# Altium PCB carrier.PcbDoc (part 3 of 5)
Units mm, origin at the board's own origin, x right, y up, seen from the top; angles counter-clockwise.
Board outline 140 x 87 mm, 4 copper layers (Component Side, Power_layer1, Power_layer2, Solder Side), stack 1.674 mm thick; 384 components, 416 nets, 1916 pads, 853 vias.
Unrouted connection lines stored in the file: 26.
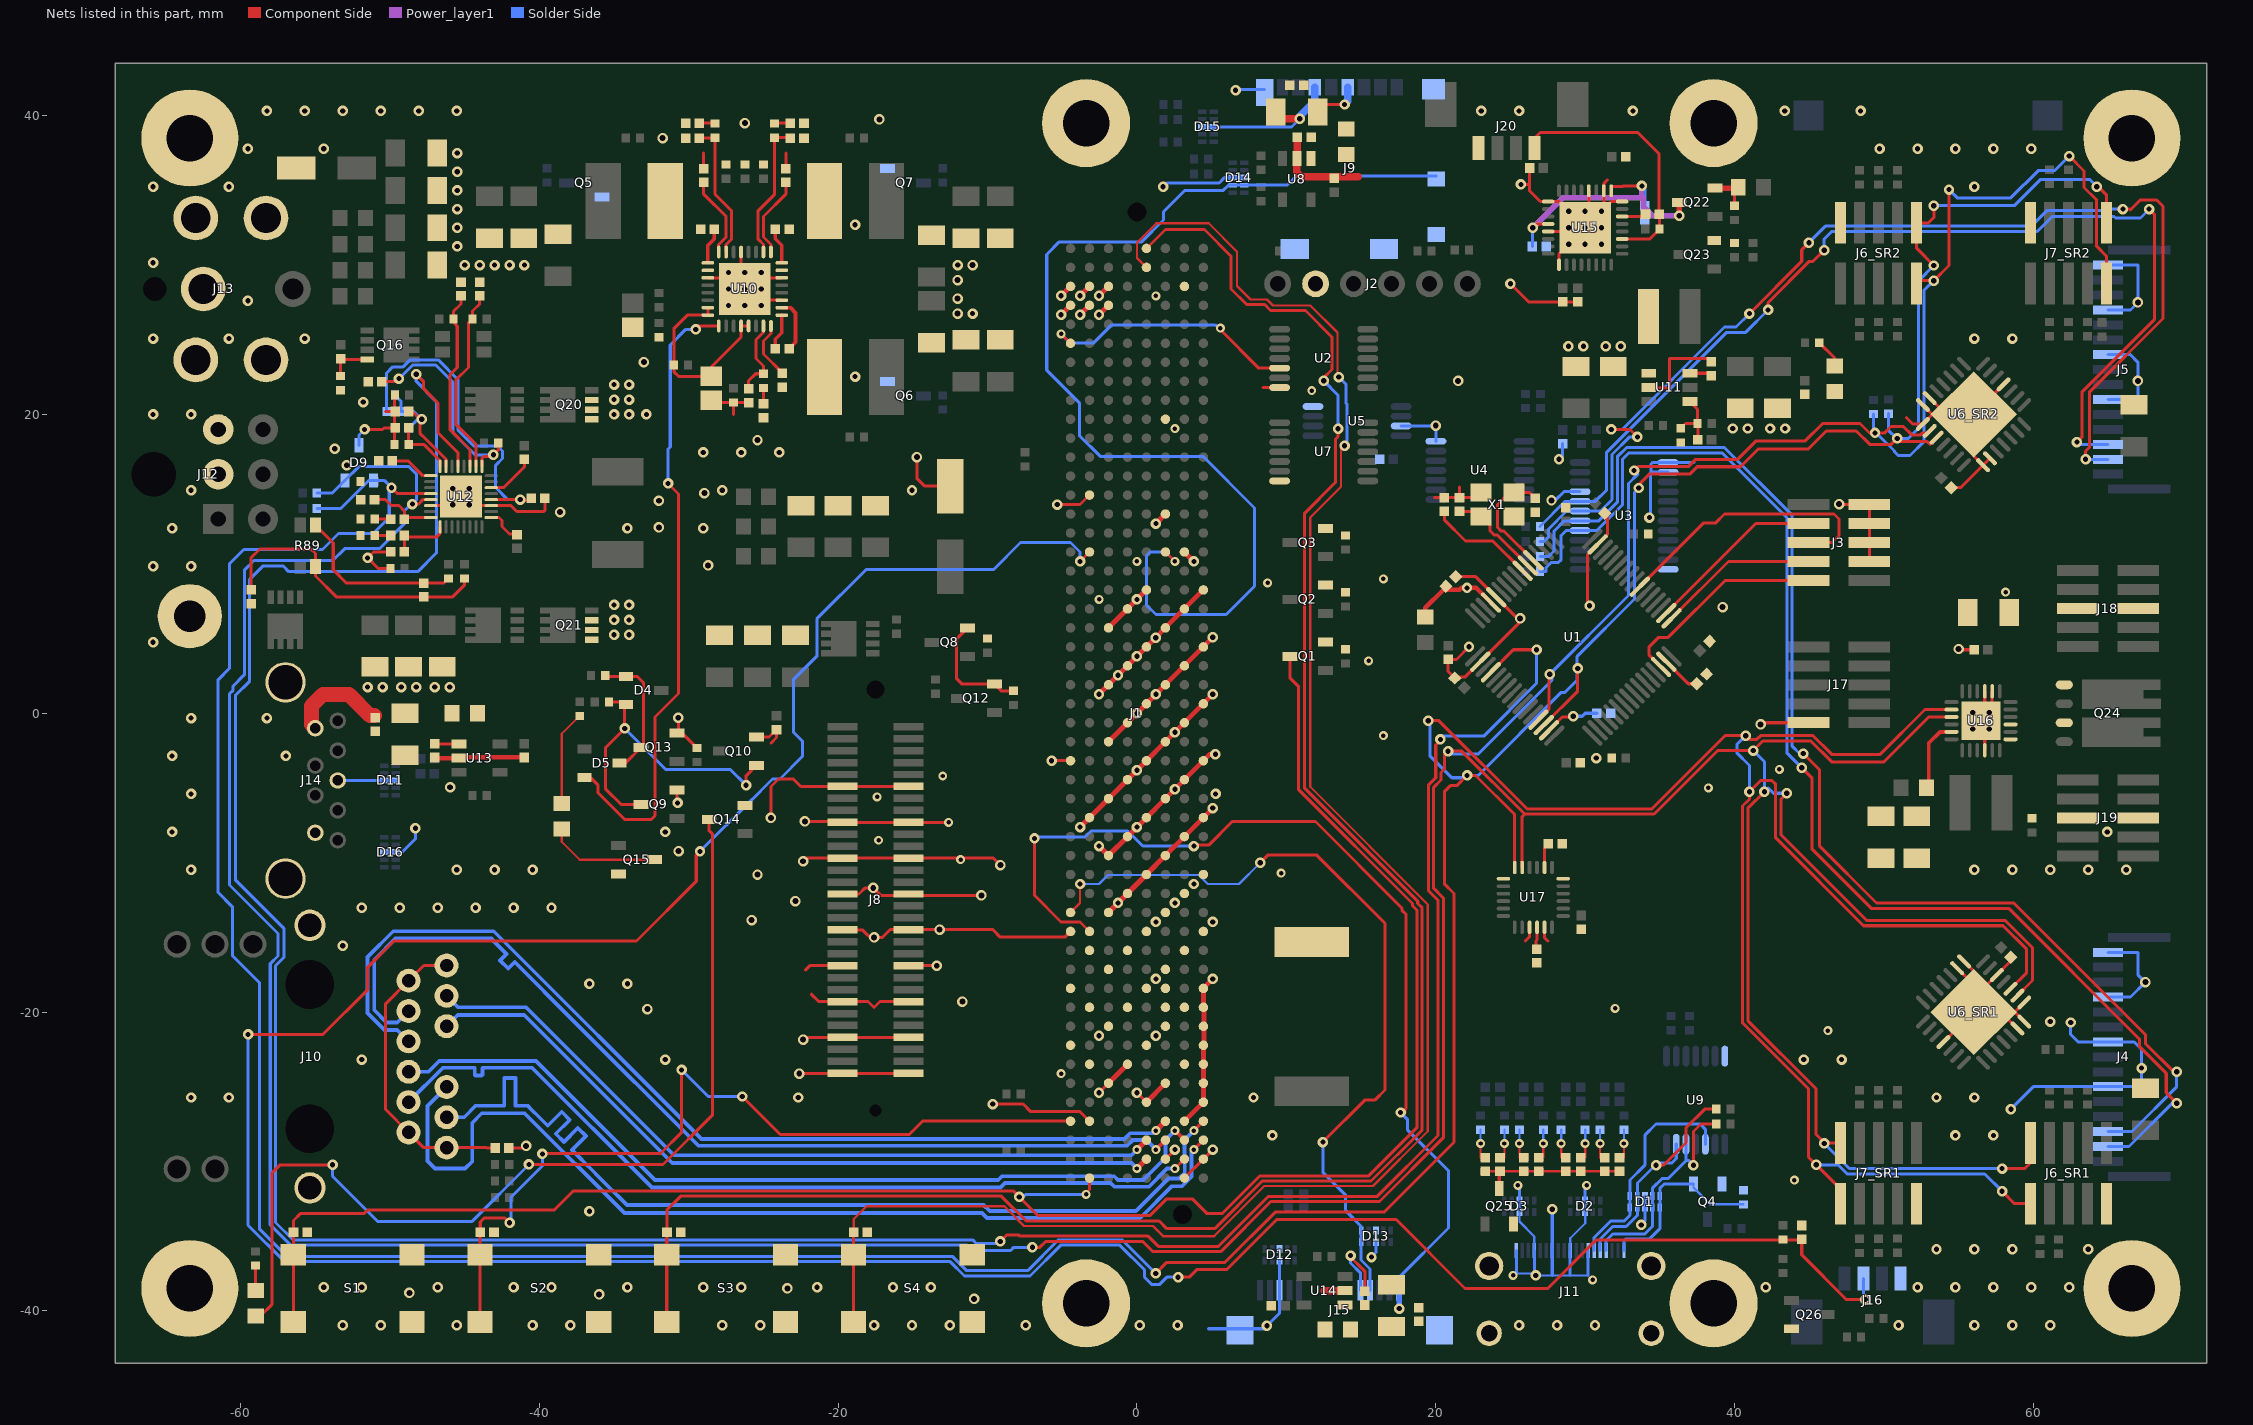
[diagram p5: the nets of this part, all layers, seen from the top]

## Via types
v1: diameter 0.7, hole 0.35, Component Side to Solder Side, 418 vias
v2: diameter 0.7, hole 0.35, Component Side to Solder Side, tented both sides, 128 vias
v3: diameter 0.6, hole 0.3, Component Side to Solder Side, tented top, 101 vias
v4: diameter 0.7, hole 0.35, Component Side to Solder Side, tented top, 72 vias
v5: diameter 0.7, hole 0.4, Component Side to Solder Side, 48 vias
v6: diameter 0.6, hole 0.3, Component Side to Solder Side, 39 vias
v7: diameter 0.7, hole 0.35, Component Side to Solder Side, tented bottom, 36 vias
v8: diameter 0.7, hole 0.4, Component Side to Solder Side, tented bottom, 7 vias
v9: diameter 1.27, hole 0.711, Component Side to Solder Side, 2 vias
v10: diameter 0.6, hole 0.3, Component Side to Solder Side, tented bottom, 2 vias

## Nets (pads, with @x,y where several pads share a name; then routed paths per layer and width w, separated by ;. In a path a pad name is that pad's centre, name@x,y a point inside that pad or via, vN(x,y) a via of type N, cw(c..) or ccw(c..) an arc to the next point about the centre after c; other vN are vias at no path point) (continued)
EN_OTG: U1.20 U12.5 | length 201.6
  Component Side w0.203: v1(-48.25,22.7) -47.75,22.2 -47.75,21.717 -46.802,20.769 -46.802,18.796 -45.45,17.444 U12.5@-45.45,16.525 ; v1(-9.147,-35.353) -8.72,-34.925 -7.914,-34.925 -7.838,-35.001 0.748,-35.001 1.433,-35.686 5.452,-35.686 8.385,-32.752 8.391,-32.752 8.81,-32.333 16.089,-32.333 20.156,-28.266 20.156,-12.511 19.507,-11.862 19.507,-4.811 20,-4.318 20,-2.125 20.312,-1.813 v1(20.312,-1.75) ; U1.20@23.695,2.747 25.198,4.25 v1(26.75,4.25)
  Solder Side w0.203: v1(-48.25,22.7) -48.25,22.215 -46.896,20.861 -46.896,10.73 -48.151,9.475 -56.775,9.475 -57.164,9.864 -58.493,9.864 -59.394,8.963 -59.394,2.151 -60.356,1.19 -60.356,-11.144 -57.106,-14.394 -57.106,-16.353 -57.66,-16.908 -57.66,-34.09 -56.498,-35.252 -10.998,-35.252 -10.75,-35.5 -9.295,-35.5 v1(-9.147,-35.353) ; v1(20.312,-1.75) 20.25,-1.75 20.469,-1.531 23.219,-1.531 26.75,2 v1(26.75,4.25)
GND: C1.2 C2.2 C3.2 C4.2 C5.2 C6.2 C7.2 C8.2 C9.2 C10.2 C11.2 C12.1 C13.2 C14_SR1.1 C14_SR2.1 C15.1 C16.1 C17.1 C18.1 C19.2 C20.1 C21.1 C22.1 C23.1 C33.1 C34.1 C35.1 C36.1 C37.1 C38.1 C39.2 C40.1 C41.1 C42.1 C44.1 C45.1 C46.1 C47.1 C48.1 C49.1 C52.1 C53.1 C54.1 C55.1 C56.1 C58.1 C59.1 C60.1 C61.1 C62.1 C63.1 C64.1 C65.1 C66.1 C67.1 C68.1 C69.1 C70.1 C77.2 C78.2 C79.2 C80.2 C81.1 C82.1 C83.1 C84.1 C85.1 C86.2 C87.1 C88.1 C89.1 C92.2 C93.1 C94.1 C95.1 C98.1 C99.1 C100.1 C101.1 C102.1 C103.1 C105.1 C106.1 C107.2 C108.2 C109.1 C110.1 C111.1 C112.1 C113.2 C114.1 C115.1 C116.1 C117.1 C118.1 C119.2 C120.1 C121.2 C122.2 C123.2 D1.3 D2.3 D3.3 D6.C D9.A D10.A D11.3 D12.3 D13.3 D14.3 D15.3 D16.3 J1.A3 J1.A4 J1.A28 J1.A37 J1.A40 J1.A43 J1.B3 J1.B4 J1.B14 J1.B31 J1.B38 J1.B41 J1.B44 J1.B47 J1.C3 J1.C4 J1.C21 J1.C24 J1.C27 J1.C30 J1.C33 J1.C36 J1.C39 J1.C42 J1.C45 J1.D20 J1.D23 J1.D26 J1.D29 J1.D32 J1.D35 J1.D38 J1.D41 J1.D44 J1.E19 J1.E22 J1.E25 J1.E28 J1.E31 J1.E34 J1.E37 J1.E40 J1.E43 J1.E46 J1.F10 J1.F15 J1.F21 J1.F24 J1.F27 J1.F30 J1.F33 J1.F36 J1.F39 J1.F40 J1.F41 J1.F42 J1.F45 J1.F49 J1.G3 J1.G17 J1.G20 J1.G23 J1.G26 J1.G29 J1.G32 J1.G35 J1.G38 J1.G41 J1.G44 J1.G47 J1.G50 J1.H19 J1.H22 J1.H25 J1.H28 J1.H31 J1.H34 J1.H37 J1.H40 J1.H41 J1.H42 J1.H43 J1.H44 J1.H45 J1.H46 J1.H49 J2.2 J3.3 J3.5 J3.7 J3.9 J4.1 J4.4 J4.7 J4.10 J5.1 J5.4 J5.7 J5.10 J6_SR1.2 J6_SR2.2 J7_SR1.2 J7_SR2.2 J8.11 J8.12 J8.17 J8.18 J8.23 J8.24 J8.29 J8.30 J8.35 J8.36 J8.41 J8.42 J8.47 J8.48 J8.53 J8.54 J8.59 J8.60 J9.6 J9.SHIELD J9.SW2 J10.SHIELD J11.1 J11.4 J11.7 J11.10 J11.13 J11.SHIELD J12.2 J12.3 J13.2 J13.3 J14.4 J14.7 J14.SHIELD J15.5 J15.8 J15.SHIELD J16.1 J17.2 J18.5 J18.6 J19.5 J19.6 J20.4 MH1.1 MH2.1 MH3.1 MH4.1 MH5.1 MH7.1 MH8.1 MH9.1 MH10.1 Q1.S Q2.S Q3.S Q4.S Q5.S Q6.S Q7.S Q8.S Q9.S Q10.S Q12.S Q13.S Q14.S Q15.S Q20.S Q21.S Q23.E Q25.S Q26.S R6.1 R7.1 R17.1 R18.1 R19.1 R30.2 R57.2 R61.2 R67.1 R68.2 R74.1 R75.1 R79.1 R81.2 R82.1 R93.1 R96.1 R97.1 R98.2 R99.2 R100.1 R101.1 R106.1 R112.1 S1.2 S2.2 S3.2 S4.2 U1.12 U1.18 U1.63 U2.7 U3.1 U3.2 U3.12 U3.21 U4.7 U5.4 U5.7 U6_SR1.1 U6_SR1.2 U6_SR1.11 U6_SR1.20 U6_SR1.21 U6_SR1.22 U6_SR1.26 U6_SR1.29 U6_SR2.1 U6_SR2.2 U6_SR2.11 U6_SR2.20 U6_SR2.21 U6_SR2.22 U6_SR2.29 U7.7 U8.2 U9.7 U10.11 U10.14 U10.21 U10.27 U10.33 U11.1 U12.14 U12.27 U12.33 U13.2 U14.2 U15.1 U15.16 U15.18 U15.20 U15.25 U15.29 U15.33 U16.4 U16.14 U16.15 U16.25 U17.1 U17.9 U17.11 U17.18 X1.2 | length 477.3
  Component Side w0.203: v1(-51.7,19) -50.5,19 -50.4,19.1 C82.1@-49.7,19.1 ; -50.3,20.2 C70.1@-49.7,20.2 ; R99.2@-49.975,9.7 -50.8,9.7 v1(-51.5,10.4) -51.1,10.8 C78.2@-49.96,10.8 ; R101.1@-49.7,18 C82.1@-49.7,19.1 ; R98.2@-49.675,21.3 -49.7,21.275 C70.1@-49.7,20.2 ; C82.1@-49.66,19.1 C82.1@-49.7,19.1 ; C70.1@-49.66,20.2 C70.1@-49.7,20.2 ; U12.14@-47.275,13.9 -45.85,13.9 v1(-45.8,13.95) U12.33@-45.25,14.5 -44.65,13.9 U12.27@-43.225,13.9 -41.91,13.9 -41.51,13.5 -39.7,13.5 -39.64,13.56 C80.2@-39.64,14.4 ; C23.1@-42.04,-29.1 -41.038,-29.1 v5(-40.894,-28.956) ; Q9.S@-30.804,-5.146 -30.804,-5.738 -30.75,-5.792 v1(-30.75,-6) ; v1(-30.7,-0.3) -30.7,-1.232 Q13.S@-30.804,-1.336 -30.447,-1.336 R81.2@-29.464,-2.319 ; C36.1@-29,36.46 -29,37.5 ; U10.27@-28.725,29.15 -27,29.15 U10.33@-26.5,28.65 ; C64.1@-28.5,20.95 -28.34,20.79 R61.2@-27,20.79 ; -27,20 R61.2@-27,20.79 ; R61.2@-27,20.8 R61.2@-27,20.79 ; U10.21@-26.5,30.875 U10.33@-26.5,28.65 ; C46.1@-26,20.79 R61.2@-27,20.79 ; Q10.S@-25.47,-1.59 -24.625,-1.59 C66.1@-24.13,-1.095 -24.13,-1.63 -24.5,-2 ; v5(-24.5,-7) -24.5,-4.9 -24,-4.4 -23,-4.4 -22.5,-4.9 J8.11@-19.7,-4.9 J8.12@-15.3,-4.9 ; U10.11@-23.775,27.65 -25.5,27.65 v1(-26.25,28.4) ; U10.14@-23.775,29.15 -25.5,29.15 v1(-26.25,28.4) ; C61.1@-23.5,36.46 -23.5,37.5 ; v5(-22.606,-24.13) -22.576,-24.1 J8.59@-19.7,-24.1 J8.60@-15.3,-24.1 ; v5(-22.352,-21.844) -22.208,-21.7 J8.53@-19.7,-21.7 J8.54@-15.3,-21.7 ; v5(-22.352,-9.906) -22.146,-9.7 J8.23@-19.7,-9.7 J8.24@-15.3,-9.7 -9.604,-9.7 v5(-9.144,-10.16) ; v5(-22.225,-7.239) -19.761,-7.239 J8.17@-19.7,-7.3 J8.18@-15.3,-7.3 v6(-12.6,-7.3) ; -22.2,-17.2 -21.9,-16.9 J8.41@-19.7,-16.9 ; -21.8,-18.8 -21.3,-19.3 J8.47@-19.7,-19.3 -18,-19.3 -17.6,-19.7 -17.2,-19.3 J8.48@-15.3,-19.3 ; J8.35@-19.7,-14.5 -18.38,-14.5 -17.6,-15.28 v5(-17.6,-15) -17.032,-15 -16.51,-14.478 v5(-13.208,-14.478) -9.652,-14.478 -9.146,-14.984 -4.824,-14.984 J1.A37@-4.445,-14.605 ; J8.29@-19.7,-12.1 -18.6,-12.1 -18.184,-11.684 v5(-17.653,-11.684) -17.145,-12.192 v5(-10.414,-12.192) ; J8.42@-15.3,-16.9 v1(-13.4,-16.9) ; v5(-14.732,17.145) -14.732,15.732 -14.2,15.2 C113.2@-12.5,15.2 ; Q8.S@-11.336,5.7 -12.09,4.946 -12.09,2.34 -11.7,1.95 Q12.S@-9.55,1.95 -9.1,1.5 R82.1@-8.25,1.5 ; v1(-9.652,-26.162) -7.62,-26.162 -7.112,-26.67 -3.81,-26.67 J1.B47@-3.175,-27.305 ; v4(-5.715,-3.175) J1.A28@-4.445,-3.175 ; v4(-5.334,13.97) -3.81,13.97 J1.B14@-3.175,14.605 ; v4(-2.54,-25.4) J1.C45@-1.905,-24.765 ; v4(0,-25.4) J1.E46@0.635,-26.035 ; J1.F49@1.905,-29.845 v4(2.54,-29.21) ; J1.G50@3.175,-31.115 J1.H49@4.445,-29.845 v4(5.08,-29.21) ; 8.45,21.8 U2.7@9.55,21.8 ; v1(14.3,-36.3) 14.2,-36.3 15.25,-37.35 C93.1@15.25,-38.69 ; 19.93,14.43 C9.2@20.574,14.43 C10.2@21.59,14.43 ; C2.2@21.336,9.144 22.671,9.144 U1.12@24.048,7.767 25.465,6.35 v5(25.654,6.35) 25.654,6.12 U1.18@22.987,3.454 21.947,2.413 21.265,2.413 C3.2@21.265,2.357 20.828,2.794 C1.2@20.828,3.604 21.384,3.604 v1(22.225,4.445) ; 21.59,15.16 C10.2@21.59,14.43 ; X1.2@23.03,14.77 22.69,14.43 C10.2@21.59,14.43 ; v1(25,28.75) 26.21,27.54 C100.1@28.5,27.54 C101.1@29.5,27.54 ; v1(25.7,35.4) 26.29,35.4 ; 26,-15.25 26.283,-14.967 U17.9@26.283,-14.325 ; C103.1@26.29,36.5 26.29,35.4 ; U17.11@27.283,-14.325 27.283,-15.033 27.5,-15.25 ; U15.29@27.525,32.25 U15.33@29.75,32.25 ; U15.1@28.25,30.025 28.25,30.75 v1(28.9,31.4) U15.33@29.75,32.25 ; U15.20@30.25,34.975 U15.33@30.25,32.75 ; v1(30.3,7.2) 30.156,7.344 30.156,10.623 U1.63@30.836,11.303 31.496,11.962 31.496,13.208 C6.2@31.313,13.391 ; v1(31.1,33.6) U15.33@30.25,32.75 ; 31.5,35.704 31.25,35.454 U15.18@31.25,34.975 31.25,33.75 31.75,34.25 U15.16@32.475,34.25 ; v5(41.75,-0.75) 41.865,-0.635 J17.2@44.958,-0.635 ; v5(47,14) 47.03,13.97 J3.9@49.022,13.97 J3.7@49.022,12.7 J3.5@49.022,11.43 J3.3@49.022,10.16 ; 51.5,19.8 51.936,19.364 U6_SR2.22@52.606,19.364 U6_SR2.29@53.242,20 ; U6_SR2.21@52.606,20.636 U6_SR2.29@53.242,20 ; U6_SR2.20@53.066,21.096 U6_SR2.29@54.162,20 ; U6_SR1.11@53.985,-22.015 U6_SR1.29@56,-20 ; C14_SR2.1@54.499,15.097 55.128,15.097 U6_SR2.1@56.636,16.606 ; U6_SR1.2@54.904,-17.066 U6_SR1.29@56,-18.162 ; v5(55,4.3) 55.05,4.25 C110.1@56.04,4.25 ; U6_SR1.1@55.364,-16.606 56,-17.242 U6_SR1.29@56,-18.162 ; U16.4@56.75,-2.475 56.75,-0.75 U16.25@56.5,-0.5 v1(57.05,0.05) 57.25,0.25 U16.14@57.25,1.475 ; U16.25@56.75,0.05 U16.15@56.75,1.475 ; U6_SR2.2@57.096,17.066 U6_SR2.1@56.636,16.606 ; U6_SR2.11@58.015,22.015 U6_SR2.29@56,20 ; C14_SR1.1@58.491,-16.327 58.491,-16.589 U6_SR1.26@57.556,-17.525 U6_SR1.29@56,-19.081 ; U6_SR1.20@58.934,-21.096 U6_SR1.29@57.838,-20 ; U6_SR1.21@59.394,-20.636 U6_SR1.29@58.758,-20 ; U6_SR1.22@59.394,-19.364 U6_SR1.29@58.758,-20 ; C82.1@-49.7,19.1 C70.1@-49.7,20.2 ; U10.33@-26.5,28.65 v1(-26.25,28.4) ; 26.29,35.4 26.29,34.96 27,34.25 U15.25@27.525,34.25 28.25,34.25 v1(28.9,33.6) v1(30,32.5) ; U15.33@29.75,32.25 v1(30,32.5) ; v1(30,32.5) U15.33@30.25,32.75 ; U6_SR2.29@53.242,20 U6_SR2.29@54.162,20 ; U6_SR2.29@54.162,20 U6_SR2.29@56,20 ; U6_SR1.29@56,-20 U6_SR1.29@57.838,-20 ; U6_SR1.29@56,-20 U6_SR1.29@56,-19.081 ; U6_SR1.29@56,-19.081 U6_SR1.29@56,-18.162 ; U6_SR2.29@56,20 56,17.242 U6_SR2.1@56.636,16.606 ; U6_SR1.29@57.838,-20 U6_SR1.29@58.758,-20
  Component Side w0.305: C87.1@-47,-2.96 -46.96,-3 U13.2@-45.375,-3 -45.335,-2.96 C86.2@-41,-2.96
  Component Side w0.33: v4(-5.08,26.67) J1.A4@-4.445,27.305 ; v4(-5.08,27.94) J1.A3@-4.445,28.575 ; v4(-3.81,-7.62) J1.B31@-3.175,-6.985 J1.C30@-1.905,-5.715 J1.D29@-0.635,-4.445 v4(0,-3.81) J1.E28@0.635,-3.175 J1.F27@1.905,-1.905 v4(2.54,-1.27) J1.G26@3.175,-0.635 J1.H25@4.445,0.635 v4(5.08,1.27) ; v4(-3.81,26.67) J1.B4@-3.175,27.305 ; v4(-3.81,27.94) J1.B3@-3.175,28.575 ; v4(-2.54,-8.89) J1.C33@-1.905,-9.525 J1.D32@-0.635,-8.255 v4(0,-7.62) J1.E31@0.635,-6.985 J1.F30@1.905,-5.715 v4(2.54,-5.08) J1.G29@3.175,-4.445 J1.H28@4.445,-3.175 4.87,-2.75 v4(5.25,-2.75) ; v4(-2.54,1.27) J1.C24@-1.905,1.905 v4(-1.27,2.54) J1.D23@-0.635,3.175 v4(0,3.81) J1.E22@0.635,4.445 v4(1.25,5.06) J1.F21@1.905,5.715 J1.G20@3.175,6.985 J1.H19@4.445,8.255 ; v4(-2.54,26.67) J1.C4@-1.905,27.305 ; v4(-2.54,27.94) J1.C3@-1.905,28.575 ; J1.C45@-1.905,-24.765 J1.D44@-0.635,-23.495 ; J1.C36@-1.905,-13.335 v4(-1.27,-12.7) J1.D35@-0.635,-12.065 J1.E34@0.635,-10.795 J1.F33@1.905,-9.525 J1.G32@3.175,-8.255 J1.H31@4.445,-6.985 v4(5.08,-6.35) ; J1.C27@-1.905,-1.905 J1.D26@-0.635,-0.635 v4(0,0) J1.E25@0.635,0.635 v4(1.27,1.27) J1.F24@1.905,1.905 J1.G23@3.175,3.175 J1.H22@4.445,4.445 v4(5.08,5.08) ; J1.C21@-1.905,5.715 J1.D20@-0.635,6.985 v4(0,7.62) J1.E19@0.635,8.255 ; J1.E46@0.635,-26.035 J1.F45@1.905,-24.765 ; v4(1.27,12.7) J1.F15@1.905,13.335 ; J1.G47@3.175,-27.305 J1.H46@4.445,-26.035 J1.H45@4.445,-24.765 J1.H44@4.445,-23.495 J1.H43@4.445,-22.225 4.478,-22.192 4.478,-20.988 J1.H42@4.445,-20.955 4.478,-20.922 4.478,-19.718 J1.H41@4.445,-19.685 J1.H40@4.445,-18.415 v4(5.08,-17.78) ; J1.G17@3.175,10.795 v4(3.81,10.16)
  Component Side w0.508: C22.1@9.3,40.25 9.748,39.802 v7(10.897,39.802) ; C20.1@10.74,38.55 10.74,37.165 U8.2@10.7,37.125 10.7,36.2 11,35.9 14.8,35.9 ; 12.55,-38.65 U14.2@13.925,-38.65
  Solder Side w0.152: v10@25.4,-37.5 v7@26.6,-37.5 ; v6(25.5,-31.6) v6@25.6,-31.7 ; D3.3@25.6,-33.385 25.6,-34.022 26.6,-35.022 J11.4@26.6,-35.95 ; v7@26.656,-37.588 v7(26.7,-37.631) ; v7@26.744,-37.5 26.7,-37.5 v7(26.7,-37.631) ; J11.10@29,-35.95 29,-35.144 30,-34.144 D2.3@30,-33.385 ; 30.2,-37.631 29,-37.631 27.8,-37.631 v7(26.7,-37.631)
  Solder Side w0.203: J14.7@-53.5,-4.5 D11.3@-50.385,-4.5 D11.3@-49.615,-4.5 ; D9.A@-52.07,17.939 -52.07,18.63 v1(-51.7,19) ; D16.3@-50.385,-9.3 D16.3@-49.615,-9.3 -49.2,-9.3 -48.3,-8.4 v1(-48.3,-7.7) ; v4(1.75,35.25) 2,35.5 5.5,35.5 5.85,35.85 D14.3@6.415,35.85 D14.3@7.185,35.85 ; D15.3@4.365,39.25 D15.3@5.135,39.25 10.345,39.25 v7(10.897,39.802) ; 4.8,-41.2 8.5,-41.2 v7(8.7,-41) 9.55,-40.15 J15.8@9.55,-38.625 D12.3@9.55,-36.635 D12.3@9.55,-35.865 ; v1(6.6,41.7) 6.65,41.75 J9.SHIELD@8.545,41.75 ; v1(14.3,-36.3) 14.3,-36.8 14.95,-37.45 J15.5@14.95,-38.625 ; v1(15.7,-36.4) 16,-36.1 D13.3@16,-35.385 D13.3@16,-34.615 ; U5.7@17.682,19.233 19.983,19.233 v5(20,19.25) 20.012,19.238 U4.7@20.012,18.206 ; v10@25.4,-37.5 J11.1@25.4,-35.95 ; D3.3@25.6,-33.385 D3.3@25.6,-32.615 v6@25.6,-31.7 ; J11.4@26.6,-35.95 26.6,-37.5 26.6,-37.531 v7@26.656,-37.588 ; v5(27.75,14.25) 28,14.25 28.583,14.833 U3.21@29.658,14.833 ; 27.8,-37.631 J11.7@27.8,-35.95 v1(27.8,-33.2) ; v1(28.25,17) 28.5,17.25 C18.1@28.5,18.04 ; 29,-37.631 J11.10@29,-35.95 ; D2.3@30,-33.385 D2.3@30,-32.615 30,-31.7 v6(30.1,-31.6) ; 30.2,-37.631 J11.13@30.2,-35.95 ; v1(33.75,-34.25) 34,-34 D1.3@34,-33.085 D1.3@34,-32.315 ; v1(34.3,13.1) 34.383,13.183 34.383,16.1 34.416,16.133 ; U3.2@35.558,16.133 34.416,16.133 ; 37.3,16.8 34.532,16.8 34.416,16.684 34.416,16.133 ; v1(58.5,-26.5) 60,-25 J4.10@65,-25 66.75,-25 67.25,-24.5 v1(67.25,-23.75) 67.25,-22.5 66.75,-22 J4.7@65,-22 63,-22 62.5,-21.5 v1(62.5,-20.7) ; J4.4@65,-19 66.5,-19 v5(67.5,-18) 67,-17.5 67,-16 J4.1@65,-16 ; J5.10@65,21 66.75,21 67,21.25 v5(67,22.25) 67,23.5 66.5,24 J5.7@65,24 ; J5.4@65,27 66.5,27 v5(67,27.5) 67,30 J5.1@65,30
  Solder Side w0.508: v7(10.897,39.802) 10.848,39.802 10.8,39.85 11.905,40.955 J9.6@11.905,41.9
  other v1: 30.75,-3 55.95,-1.05 57.05,-1.05 55.95,0.05 -51.5,1.75 -50.5,1.75 -49.25,1.75 -48.25,1.75 -47,1.75 -46,1.75 -35,5.25 -34,5.25 -35,6.25 -34,6.25 -35,7.25 -34,7.25 -44.7,13.95 -45.8,15.05 -44.7,15.05 -52.9,16.6 -53.7,17.7 39.882,19.06 40.882,19.06 42.382,19.06 43.382,19.06 -35,20 -34,20 -51.796,20.827 -35,21 -34,21 -35,22 -34,22 28.882,24.56 29.882,24.56 31.382,24.56 32.382,24.56 -27.35,27.3 -26.25,27.3 -25.15,27.3 -27.35,28.4 -25.15,28.4 -27.35,29.5 -26.25,29.5 -25.15,29.5 30,31.4 31.1,31.4 28.9,32.5 31.1,32.5 30,33.6 -45.5,35 -45.5,36.25 -45.5,37.5
  other v2: -53.16,-40.96 -50.62,-40.96 -45.54,-40.96 -40.46,-40.96 -37.92,-40.96 -27.76,-40.96 -25.22,-40.96 -17.6,-40.96 -15.06,-40.96 -12.52,-40.96 -7.44,-40.96 0.18,-40.96 2.72,-40.96 25.58,-40.96 28.12,-40.96 30.66,-40.96 50.98,-40.96 56.06,-40.96 58.6,-40.96 61.14,-40.96 -54.43,-38.42 -51.89,-38.42 -46.81,-38.42 -41.73,-38.42 -39.19,-38.42 -34.11,-38.42 -29.03,-38.42 -26.49,-38.42 -21.41,-38.42 -16.33,-38.42 -13.79,-38.42 42.09,-38.42 52.25,-38.42 54.79,-38.42 57.33,-38.42 59.87,-38.42 62.41,-38.42 53.52,-35.88 56.06,-35.88 58.6,-35.88 63.68,-35.88 -36.65,-33.34 9.07,-28.26 54.79,-28.26 57.33,-28.26 -63.32,-25.72 -60.78,-25.72 -22.68,-25.72 7.8,-25.72 53.52,-25.72 56.06,-25.72 -51.89,-23.18 -31.57,-23.18 44.63,-23.18 47.17,-23.18 61.14,-20.64 -36.65,-18.1 -34.11,-18.1 -53.16,-15.56 -51.89,-13.02 -49.35,-13.02 -46.81,-13.02 -44.27,-13.02 -41.73,-13.02 -39.19,-13.02 -63.32,-10.48 -45.54,-10.48 -43,-10.48 -40.46,-10.48 56.06,-10.48 58.6,-10.48 61.14,-10.48 63.68,-10.48 66.22,-10.48 -64.59,-7.94 -31.57,-7.94 64.95,-7.94 -63.32,-5.4 5.26,-5.4 -64.59,-2.86 -56.97,-2.86 -63.32,-0.32 -58.24,-0.32 -65.86,4.76 -65.86,9.84 -63.32,9.84 -64.59,12.38 -34.11,12.38 -29.03,12.38 -63.32,14.92 -27.76,14.92 -15.06,14.92 -29.03,17.46 -26.49,17.46 -23.95,17.46 -65.86,20 -63.32,20 -32.84,20 -18.87,22.54 -65.86,25.08 -60.78,25.08 -55.7,25.08 56.06,25.08 58.6,25.08 -59.51,27.62 -65.86,30.16 -18.87,32.7 -65.86,35.24 -60.78,35.24 56.06,35.24 -59.51,37.78 -54.43,37.78 49.71,37.78 52.25,37.78 54.79,37.78 57.33,37.78 59.87,37.78 -58.24,40.32 -55.7,40.32 -53.16,40.32 -50.62,40.32 -48.08,40.32 -45.54,40.32 23.04,40.32 25.58,40.32 33.2,40.32 43.36,40.32 48.44,40.32
  other v3: -5.08,-24.13 -2.54,7.62 0,10.16 2.54,19.05 1.27,27.94
  other v4: -2.54,-21.59 1.27,-21.59 1.27,-17.78 1.27,-13.97 5.08,-13.97 2.54,-12.7 3.81,-11.43
  other v5: -10.9,-39.2 -36,-38.9 -48.7,-38.8 -23.4,-38.5 -32.766,-19.812 -11.684,-19.304 -25.8,-13.85 -22.86,-12.573 -25.4,-10.8 -30.675,-9.225 -45.974,-4.953 39.2,7.1 -28.702,9.906 -32.004,12.446 -38.608,13.462 -32.004,14.224 -28.956,14.732 -25.4,18.288 21.5,22.25 -31.75,38.5 -26.25,39.5 -17.25,39.75
  other v6: 44,-31.25 46.25,-21.25 32,-19.75 9.65,-10.7 -11.8,-9.8 -17.3,-8.5 -17.4,-5.6 38.25,-5 -13,-4.2 43,-3.75 16.5,-1.5 15.5,3.5 58.14,8.104 8.75,8.725 16.5,9 11.7,21.6
  other v7: -11,26.75 -45,30 -44,30 -43,30 -42,30 -41,30 -12,30 -45.5,31.25 -45.5,32.5 -45.5,33.75
  other v8: -33,23.5 -12,26.75 -12,27.75 -12,29 -11,30
  other v10: 30.5,-37.925 25.175,-37.625
I2C_CAM1.SCL: J4.13 R128.1 U3.18 | length 84.7
  Component Side w0.203: v1(44.6,-2.7) 45.7,-3.8 45.7,-8.9 49.5,-12.7 58.7,-12.7 67.5,-21.5 67.5,-22.1 69.4,-24 v1(69.6,-24)
  Solder Side w0.203: R128.1@26.975,10.5 27.559,10.5 27.916,10.858 27.916,12.191 28.608,12.883 U3.18@29.658,12.883 30.917,12.883 32.156,14.122 32.156,17.17 32.766,17.78 39.329,17.78 43.856,13.253 43.856,-2.2 44.356,-2.7 v1(44.6,-2.7) ; J4.13@65,-28 66.6,-28 69.6,-25 v1(69.6,-24)
I2C_CAM1.SDA: J4.14 R22.1 U3.17 | length 85.7
  Component Side w0.203: v1(44.5,-3.652) 45.2,-4.352 45.2,-9.107 49.148,-13.056 58.348,-13.056 67.1,-21.807 67.1,-22.3 68.9,-24.1 68.9,-25.4 v1(69.6,-26.1)
  Solder Side w0.203: R22.1@26.975,9.5 27.396,9.5 27.396,9.75 27.75,10.104 28.224,10.104 28.369,10.25 28.369,11.869 28.733,12.233 U3.17@29.658,12.233 30.775,12.233 32.512,13.97 32.512,17.018 32.902,17.408 39.198,17.408 43.5,13.106 43.5,-2.652 v1(44.5,-3.652) ; J4.14@65,-29 66.4,-29 69.3,-26.1 v1(69.6,-26.1)
I2C_CAM2.SCL: J5.13 R130.1 U3.20 | length 72.2
  Component Side w0.203: v1(42.25,26.997) 42.25,27.497 45.003,30.25 45.25,30.25 v1(46,31) ; v1(62.922,18.15) 63.275,18.503 63.275,21.525 68.1,26.35 68.1,33.4 v1(67.75,33.75)
  Solder Side w0.203: R130.1@26.975,12.5 28.658,14.183 U3.20@29.658,14.183 30.683,14.183 31.445,14.945 31.445,17.465 39.48,25.5 40.75,25.5 42.247,26.997 v1(42.25,26.997) ; v1(46,31) 46,31.75 46.5,32.25 60.259,32.25 61.259,33.25 65.396,33.25 65.5,33.146 67.182,33.146 67.75,33.714 v1(67.75,33.75) ; v1(62.922,18.15) 62.772,18 J5.13@65,18
I2C_CAM2.SDA: J5.14 R129.1 U3.19 | length 78
  Component Side w0.203: v1(31.75,19) 33,19 v1(33.5,18.5) ; v1(41,26.75) 44.5,30.25 44.5,31.023 v1(44.977,31.5) ; v1(63.5,17) 63.5,17.534 63.75,17.784 63.75,21.497 68.682,26.429 68.682,33.934 68.262,34.354 67.154,34.354 66.5,33.7 66.45,33.75 v1(66,33.75)
  Solder Side w0.203: R129.1@26.975,11.5 27.25,11.5 27.561,11.811 27.561,12.339 28.755,13.533 U3.19@29.658,13.533 31.033,13.533 31.801,14.301 31.801,17.318 32.983,18.5 v1(33.5,18.5) ; v1(31.75,19) 32.477,19 39.333,25.856 40.106,25.856 v1(41,26.75) ; v1(44.977,31.5) 46.083,32.606 59.856,32.606 60.894,33.644 64.897,33.644 65.003,33.75 v1(66,33.75) ; v1(63.5,17) J5.14@65,17
JTCK: J3.4 U1.49 | length 10.7
  Component Side w0.203: U1.49@35.786,6.353 39.593,10.16 J3.4@44.958,10.16
JTDI: J3.8 U1.50 | length 12
  Component Side w0.203: U1.50@35.433,6.706 41.426,12.7 J3.8@44.958,12.7
JTDO: J3.6 U1.55 | length 18.8
  Component Side w0.203: U1.55@33.665,8.474 37.941,12.75 38.75,12.75 39.335,13.335 46.665,13.335 46.99,13.01 46.99,11.89 46.53,11.43 J3.6@44.958,11.43
JTMS: J3.2 U1.46 | length 14.2
  Component Side w0.203: U1.46@35.079,3.1 34.29,3.889 34.29,4.445 34.925,5.08 35.56,5.08 39.37,8.89 J3.2@44.958,8.89
MCU_SCL: D9.C2 J6_SR1.9 J6_SR2.9 J7_SR1.9 J7_SR2.9 R9.1 R84.1 U1.29 U6_SR1.23 U6_SR2.23 U12.13 U16.21 U17.23 | length 392
  Component Side w0.203: v1(-48.5,14) -48.1,14 -47.8,14.3 U12.13@-47.275,14.3 ; v1(-7,-35.75) -6.5,-35.75 -6.107,-35.357 0.393,-35.357 1.078,-36.041 5.604,-36.041 8.957,-32.689 16.236,-32.689 20.512,-28.414 20.512,-12.364 19.863,-11.715 19.863,-4.958 20.356,-4.465 20.356,-3.962 20.574,-3.744 20.574,-2.794 v1(20.828,-2.54) 21.748,-2.54 25.958,-6.75 ; U17.23@25.783,-10.325 25.783,-6.925 25.958,-6.75 ; U1.29@26.877,-0.435 27.585,0.273 27.585,2.568 v1(27.633,2.617) ; v1(33.28,16.25) 33.54,16.51 36.91,16.51 37.4,17 40.209,17 41.419,18.21 44.71,18.21 45.9,19.4 48.4,19.4 49.038,18.762 v1(49.404,18.762) 49.416,18.75 50.03,18.75 50.48,19.2 51.3,19.2 51.859,18.641 52.455,18.641 52.569,18.756 52.828,18.756 52.873,18.711 U6_SR2.23@53.066,18.904 ; v1(42,-5.25) 40.894,-6.356 40.894,-20.574 45.466,-25.146 45.466,-28.194 46.035,-28.763 J7_SR1.9@47.11,-28.763 ; v1(43.5,-5.354) 43.106,-5.749 43.106,-8.132 48.842,-13.868 58.121,-13.868 59.944,-15.691 59.944,-17.894 U6_SR1.23@58.934,-18.904 ; J6_SR2.9@52.19,28.763 52.383,28.956 v1(53.333,28.956) 54.356,29.979 v1(54.356,35.052) ; U16.21@54.525,-0.25 53,-0.25 50,-3.25 46.5,-3.25 45.106,-1.856 41.894,-1.856 v1(41.25,-2.5) 38.871,-2.5 34.621,-6.75 25.958,-6.75 ; v1(57.912,-30.48) 59.436,-30.48 59.81,-30.106 J6_SR1.9@59.81,-28.763 ; v1(62.4,37.3) 63.4,36.3 63.4,35.2 64.242,34.358 64.242,31.258 64.89,30.61 J7_SR2.9@64.89,28.763